# KiCad board poly_kb_wave_left.kicad_pcb (continued)
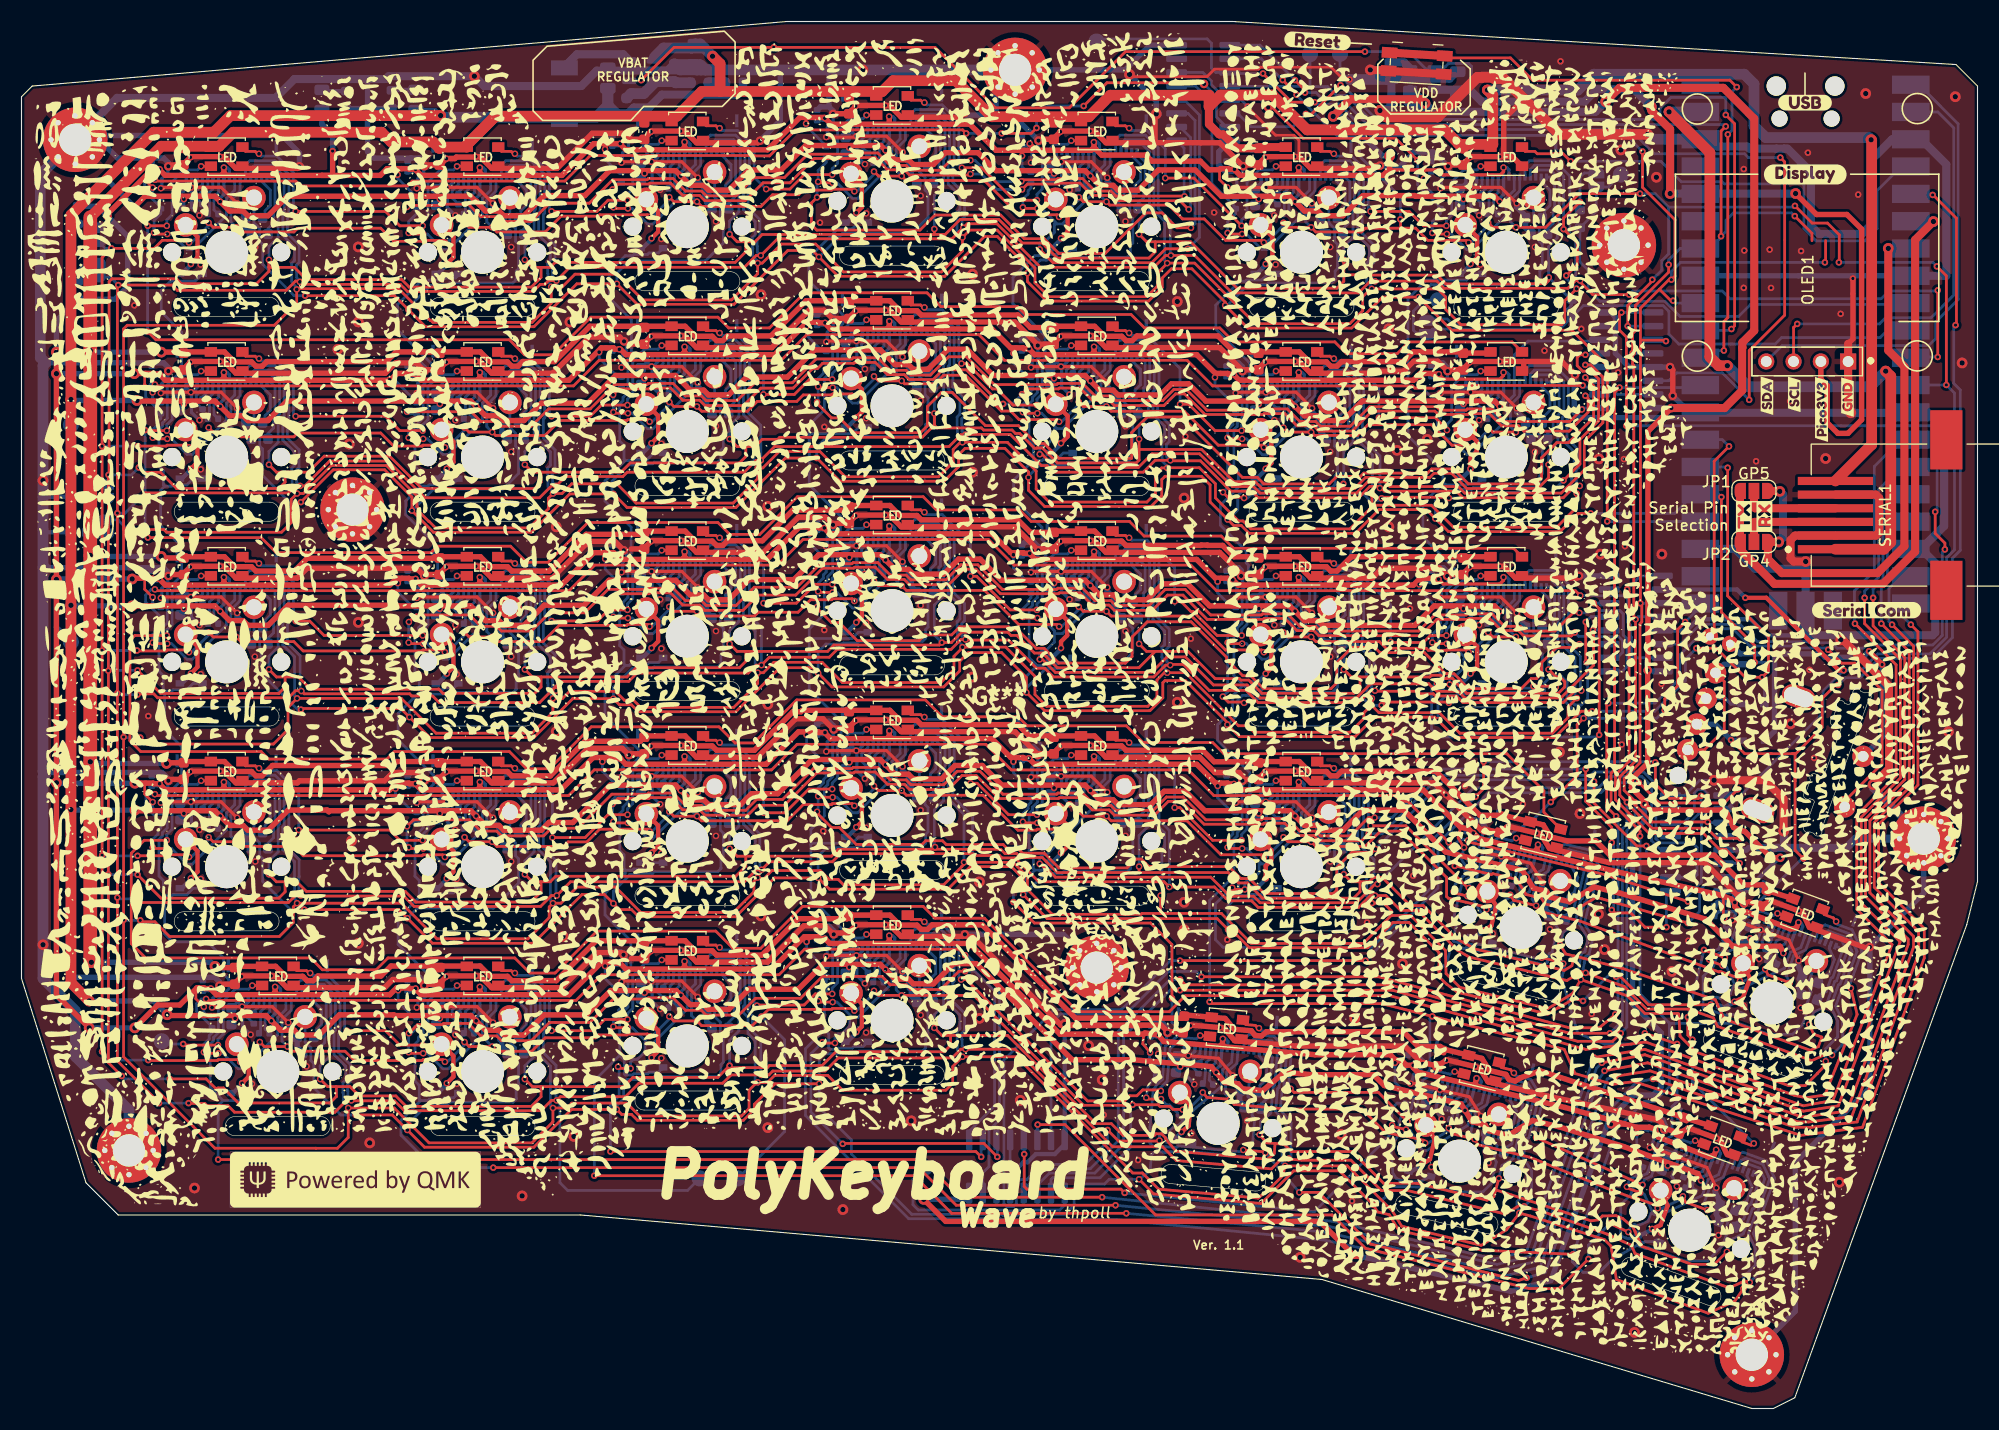
[diagram p0: board, top side]
## Nets (continued)
/K_B8/C1N: C6_36.2 CONN36.7
/K_B8/C1P: C6_36.1 CONN36.6
/K_B8/C2N: C5_36.2 CONN36.5
/K_B8/C2P: C5_36.1 CONN36.4
/K_B8/CS: CONN36.10 R1_36.2 U8.7
/K_B8/LED_DIN: LED22.2 LED36.4
/K_B8/SW-D: D1_36.2 SW_K_36.2
/K_B8/VCOMH: C4_36.1 CONN36.15
/K_B/C1N: C6_27.2 CONN27.7
/K_B/C1P: C6_27.1 CONN27.6
/K_B/C2N: C5_27.2 CONN27.5
/K_B/C2P: C5_27.1 CONN27.4
/K_B/CS: CONN27.10 R1_27.2 U7.5
/K_B/LED_DIN: LED27.4 LED28.2
/K_B/LED_DOUT: LED26.4 LED27.2
/K_B/SW-D: D1_27.2 SW_K_27.2
/K_B/VCOMH: C4_27.1 CONN27.15
/K_C/C1N: C6_25.2 CONN25.7
/K_C/C1P: C6_25.1 CONN25.6
/K_C/C2N: C5_25.2 CONN25.5
/K_C/C2P: C5_25.1 CONN25.4
/K_C/CS: CONN25.10 R1_25.2 U7.3
/K_C/LED_DIN: LED25.4 LED26.2
/K_C/LED_DOUT: LED24.4 LED25.2
/K_C/SW-D: D1_25.2 SW_K_25.2
/K_C/VCOMH: C4_25.1 CONN25.15
/K_D/C1N: C6_18.2 CONN18.7
/K_D/C1P: C6_18.1 CONN18.6
/K_D/C2N: C5_18.2 CONN18.5
/K_D/C2P: C5_18.1 CONN18.4
/K_D/CS: CONN18.10 R1_18.2 U6.3
/K_D/LED_DIN: LED18.4 LED19.2
/K_D/LED_DOUT: LED17.4 LED18.2
/K_D/SW-D: D1_18.2 SW_K_18.2
/K_D/VCOMH: C4_18.1 CONN18.15
/K_E/C1N: C6_11.2 CONN11.7
/K_E/C1P: C6_11.1 CONN11.6
/K_E/C2N: C5_11.2 CONN11.5
/K_E/C2P: C5_11.1 CONN11.4
/K_E/CS: CONN11.10 R1_11.2 U5.3
/K_E/LED_DIN: LED11.4 LED12.2
/K_E/LED_DOUT: LED10.4 LED11.2
/K_E/SW-D: D1_11.2 SW_K_11.2
/K_E/VCOMH: C4_11.1 CONN11.15
/K_F/C1N: C6_19.2 CONN19.7
/K_F/C1P: C6_19.1 CONN19.6
/K_F/C2N: C5_19.2 CONN19.5
/K_F/C2P: C5_19.1 CONN19.4
/K_F/CS: CONN19.10 R1_19.2 U6.4
/K_F/LED_DIN: LED19.4 LED20.2
/K_F/SW-D: D1_19.2 SW_K_19.2
/K_F/VCOMH: C4_19.1 CONN19.15
/K_G/C1N: C6_20.2 CONN20.7
/K_G/C1P: C6_20.1 CONN20.6
/K_G/C2N: C5_20.2 CONN20.5
/K_G/C2P: C5_20.1 CONN20.4
/K_G/CS: CONN20.10 R1_20.2 U6.5
/K_G/LED_DIN: LED20.4 LED21.2
/K_G/SW-D: D1_20.2 SW_K_20.2
/K_G/VCOMH: C4_20.1 CONN20.15
/K_L1/C1N: C6_1.2 CONN1.7
/K_L1/C1P: C6_1.1 CONN1.6
/K_L1/C2N: C5_1.2 CONN1.5
/K_L1/C2P: C5_1.1 CONN1.4
/K_L1/CS: CONN1.10 R1_1.2 U4.15
/K_L1/LED_DOUT: LED1.2 LED14.4
/K_L1/SW-D: D1_1.2 SW_K_1.2
/K_L1/VCOMH: C4_1.1 CONN1.15
/K_L2/C1N: C6_8.2 CONN8.7
/K_L2/C1P: C6_8.1 CONN8.6
/K_L2/C2N: C5_8.2 CONN8.5
/K_L2/C2P: C5_8.1 CONN8.4
/K_L2/CS: CONN8.10 R1_8.2 U5.15
/K_L2/LED_DIN: LED8.4 LED9.2
/K_L2/LED_DOUT: LED8.2 LED21.4
/K_L2/SW-D: D1_8.2 SW_K_8.2
/K_L2/VCOMH: C4_8.1 CONN8.15
/K_L3/C1N: C6_15.2 CONN15.7
/K_L3/C1P: C6_15.1 CONN15.6
/K_L3/C2N: C5_15.2 CONN15.5
/K_L3/C2P: C5_15.1 CONN15.4
/K_L3/CS: CONN15.10 R1_15.2 U6.15
/K_L3/LED_DOUT: LED15.2 LED28.4
/K_L3/SW-D: D1_15.2 SW_K_15.2
/K_L3/VCOMH: C4_15.1 CONN15.15
/K_L4/C1N: C6_22.2 CONN22.7
/K_L4/C1P: C6_22.1 CONN22.6
/K_L4/C2N: C5_22.2 CONN22.5
/K_L4/C2P: C5_22.1 CONN22.4
/K_L4/CS: CONN22.10 R1_22.2 U7.15
/K_L4/LED_DIN: LED22.4 LED23.2
/K_L4/SW-D: D1_22.2 SW_K_22.2
/K_L4/VCOMH: C4_22.1 CONN22.15
/K_L6/C1N: C6_7.2 CONN7.7
/K_L6/C1P: C6_7.1 CONN7.6
/K_L6/C2N: C5_7.2 CONN7.5
/K_L6/C2P: C5_7.1 CONN7.4
/K_L6/CS: CONN7.10 R1_7.2 U4.6
/K_L6/SW-D: D1_7.2 SW_K_7.2
/K_L6/VCOMH: C4_7.1 CONN7.15
/K_L7/C1N: C6_14.2 CONN14.7
/K_L7/C1P: C6_14.1 CONN14.6
/K_L7/C2N: C5_14.2 CONN14.5
/K_L7/C2P: C5_14.1 CONN14.4
/K_L7/CS: CONN14.10 R1_14.2 U5.6
/K_L7/LED_DOUT: LED13.4 LED14.2
/K_L7/SW-D: D1_14.2 SW_K_14.2
/K_L7/VCOMH: C4_14.1 CONN14.15
/K_L8/C1N: C6_21.2 CONN21.7
/K_L8/C1P: C6_21.1 CONN21.6
/K_L8/C2N: C5_21.2 CONN21.5
/K_L8/C2P: C5_21.1 CONN21.4
/K_L8/CS: CONN21.10 R1_21.2 U6.6
/K_L8/SW-D: D1_21.2 SW_K_21.2
/K_L8/VCOMH: C4_21.1 CONN21.15
/K_L9/C1N: C6_28.2 CONN28.7
/K_L9/C1P: C6_28.1 CONN28.6
/K_L9/C2N: C5_28.2 CONN28.5
/K_L9/C2P: C5_28.1 CONN28.4
/K_L9/CS: CONN28.10 R1_28.2 U7.6
/K_L9/SW-D: D1_28.2 SW_K_28.2
/K_L9/VCOMH: C4_28.1 CONN28.15
/K_Q/C1N: C6_9.2 CONN9.7
/K_Q/C1P: C6_9.1 CONN9.6
/K_Q/C2N: C5_9.2 CONN9.5
/K_Q/C2P: C5_9.1 CONN9.4
/K_Q/CS: CONN9.10 R1_9.2 U5.1
/K_Q/LED_DIN: LED9.4 LED10.2
/K_Q/SW-D: D1_9.2 SW_K_9.2
/K_Q/VCOMH: C4_9.1 CONN9.15
/K_R/C1N: C6_12.2 CONN12.7
/K_R/C1P: C6_12.1 CONN12.6
/K_R/C2N: C5_12.2 CONN12.5
/K_R/C2P: C5_12.1 CONN12.4
/K_R/CS: CONN12.10 R1_12.2 U5.4
/K_R/LED_DIN: LED12.4 LED13.2
/K_R/SW-D: D1_12.2 SW_K_12.2
/K_R/VCOMH: C4_12.1 CONN12.15
/K_S/C1N: C6_17.2 CONN17.7
/K_S/C1P: C6_17.1 CONN17.6
/K_S/C2N: C5_17.2 CONN17.5
/K_S/C2P: C5_17.1 CONN17.4
/K_S/CS: CONN17.10 R1_17.2 U6.2
/K_S/SW-D: D1_17.2 SW_K_17.2
/K_S/VCOMH: C4_17.1 CONN17.15
/K_T/C1N: C6_13.2 CONN13.7
/K_T/C1P: C6_13.1 CONN13.6
/K_T/C2N: C5_13.2 CONN13.5
/K_T/C2P: C5_13.1 CONN13.4
/K_T/CS: CONN13.10 R1_13.2 U5.5
/K_T/SW-D: D1_13.2 SW_K_13.2
/K_T/VCOMH: C4_13.1 CONN13.15
/K_V/C1N: C6_26.2 CONN26.7
/K_V/C1P: C6_26.1 CONN26.6
/K_V/C2N: C5_26.2 CONN26.5
/K_V/C2P: C5_26.1 CONN26.4
/K_V/CS: CONN26.10 R1_26.2 U7.4
/K_V/SW-D: D1_26.2 SW_K_26.2
/K_V/VCOMH: C4_26.1 CONN26.15
/K_W/C1N: C6_10.2 CONN10.7
/K_W/C1P: C6_10.1 CONN10.6
/K_W/C2N: C5_10.2 CONN10.5
/K_W/C2P: C5_10.1 CONN10.4
/K_W/CS: CONN10.10 R1_10.2 U5.2
/K_W/SW-D: D1_10.2 SW_K_10.2
/K_W/VCOMH: C4_10.1 CONN10.15
/K_X/C1N: C6_24.2 CONN24.7
/K_X/C1P: C6_24.1 CONN24.6
/K_X/C2N: C5_24.2 CONN24.5
/K_X/C2P: C5_24.1 CONN24.4
/K_X/CS: CONN24.10 R1_24.2 U7.2
/K_X/LED_DOUT: LED23.4 LED24.2
/K_X/SW-D: D1_24.2 SW_K_24.2
/K_X/VCOMH: C4_24.1 CONN24.15
/K_Z/C1N: C6_23.2 CONN23.7
/K_Z/C1P: C6_23.1 CONN23.6
/K_Z/C2N: C5_23.2 CONN23.5
/K_Z/C2P: C5_23.1 CONN23.4
/K_Z/CS: CONN23.10 R1_23.2 U7.1
/K_Z/SW-D: D1_23.2 SW_K_23.2
/K_Z/VCOMH: C4_23.1 CONN23.15
/ShiftRegisters/Carry1: U4.9 U5.14
/ShiftRegisters/Carry2: U5.9 U6.14
/ShiftRegisters/Carry3: U6.9 U7.14
/ShiftRegisters/Carry4: U7.9 U8.14
/ShiftRegisters/CarryOut: TP5.1 U8.9
/ShiftRegisters/Out1_8: U4.7
/ShiftRegisters/Out2_8: U5.7
/ShiftRegisters/Out3_8: U6.7
/ShiftRegisters/Out4_8: U7.7
Col1: D1_1.1 D1_8.1 D1_15.1 D1_22.1 D1_29.1 U1.14
Col2: D1_2.1 D1_9.1 D1_16.1 D1_23.1 D1_30.1 U1.15
Col3: D1_3.1 D1_10.1 D1_17.1 D1_24.1 D1_31.1 U1.16
Col4: D1_4.1 D1_11.1 D1_18.1 D1_25.1 D1_32.1 U1.17
Col5: D1_5.1 D1_12.1 D1_19.1 D1_26.1 D1_33.1 U1.19
Col6: D1_6.1 D1_13.1 D1_20.1 D1_27.1 D1_34.1 U1.20
Col7: D1_7.1 D1_14.1 D1_21.1 D1_28.1 D1_35.1 U1.21
Col8: D1_36.1 D12.1 ENC1.C U1.5
D-C: CONN1.12 CONN2.12 CONN3.12 CONN4.12 CONN5.12 CONN6.12 CONN7.12 CONN8.12 CONN9.12 CONN10.12 CONN11.12 CONN12.12 CONN13.12 CONN14.12 CONN15.12 CONN16.12 CONN17.12 CONN18.12 CONN19.12 CONN20.12 CONN21.12 CONN22.12 CONN23.12 CONN24.12 CONN25.12 CONN26.12 CONN27.12 CONN28.12 CONN29.12 CONN30.12 CONN31.12 CONN32.12 CONN33.12 CONN34.12 CONN35.12 CONN36.12 JP4.2 TP11.1 U1.11
I2C_SCK: OLED1.3 U1.2
I2C_SDA: OLED1.4 U1.1
LED_ARR_START: LED7.4 U1.4
PICO_3V3: C13.1 OLED1.2 U1.36 U2.1 U3.4 U3.5
RESET: CONN1.11 CONN2.11 CONN3.11 CONN4.11 CONN5.11 CONN6.11 CONN7.11 CONN8.11 CONN9.11 CONN10.11 CONN11.11 CONN12.11 CONN13.11 CONN14.11 CONN15.11 CONN16.11 CONN17.11 CONN18.11 CONN19.11 CONN20.11 CONN21.11 CONN22.11 CONN23.11 CONN24.11 CONN25.11 CONN26.11 CONN27.11 CONN28.11 CONN29.11 CONN30.11 CONN31.11 CONN32.11 CONN33.11 CONN34.11 CONN35.11 CONN36.11 JP3.2 TP12.1 U1.12 U4.10 U5.10 U6.10 U7.10 U8.10
Row1: SW_K_1.1 SW_K_2.1 SW_K_3.1 SW_K_4.1 SW_K_5.1 SW_K_6.1 SW_K_7.1 U1.24
Row2: D10.2 SW_K_8.1 SW_K_9.1 SW_K_10.1 SW_K_11.1 SW_K_12.1 SW_K_13.1 SW_K_14.1 U1.25
Row3: D11.2 SW_K_15.1 SW_K_16.1 SW_K_17.1 SW_K_18.1 SW_K_19.1 SW_K_20.1 SW_K_21.1 U1.26
Row4: ENC1.S1 SW_K_22.1 SW_K_23.1 SW_K_24.1 SW_K_25.1 SW_K_26.1 SW_K_27.1 SW_K_28.1 U1.27
Row5: SW_K_29.1 SW_K_30.1 SW_K_31.1 SW_K_32.1 SW_K_33.1 SW_K_34.1 SW_K_35.1 SW_K_36.1 U1.29
RUN: RESET1.1 U1.30
SCLK: CONN1.13 CONN2.13 CONN3.13 CONN4.13 CONN5.13 CONN6.13 CONN7.13 CONN8.13 CONN9.13 CONN10.13 CONN11.13 CONN12.13 CONN13.13 CONN14.13 CONN15.13 CONN16.13 CONN17.13 CONN18.13 CONN19.13 CONN20.13 CONN21.13 CONN22.13 CONN23.13 CONN24.13 CONN25.13 CONN26.13 CONN27.13 CONN28.13 CONN29.13 CONN30.13 CONN31.13 CONN32.13 CONN33.13 CONN34.13 CONN35.13 CONN36.13 JP6.2 JP7.1 R2.2
SDIN: CONN1.14 CONN2.14 CONN3.14 CONN4.14 CONN5.14 CONN6.14 CONN7.14 CONN8.14 CONN9.14 CONN10.14 CONN11.14 CONN12.14 CONN13.14 CONN14.14 CONN15.14 CONN16.14 CONN17.14 CONN18.14 CONN19.14 CONN20.14 CONN21.14 CONN22.14 CONN23.14 CONN24.14 CONN25.14 CONN26.14 CONN27.14 CONN28.14 CONN29.14 CONN30.14 CONN31.14 CONN32.14 CONN33.14 CONN34.14 CONN35.14 CONN36.14 JP5.2 JP8.1 R3.2
SERIAL_RX: JP1.2 JP1.3 JP2.3 SERIAL1.4 U1.7
SERIAL_TX: JP1.1 JP2.1 JP2.2 SERIAL1.3 U1.6
SPI0_CS_NC: U1.22
SR_CLOCK: TP8.1 U1.32 U4.11 U5.11 U6.11 U7.11 U8.11
SR_DATA: TP10.1 U1.31 U4.14
SR_LATCH: TP6.1 U1.34 U4.12 U5.12 U6.12 U7.12 U8.12
VSYS: SERIAL1.1 U1.39
Net-(C1-Pad1): C1.1 JP5.1
Net-(C2-Pad1): C2.1 JP6.1
Net-(C11-Pad2): C11.2 R11.1 R12.2 U2.5
Net-(D5-Pad1): D5.1 R5.2
Net-(D6-Pad1): D6.1 R6.2
Net-(D10-Pad1): D10.1 ENC1.A
Net-(D11-Pad1): D11.1 ENC1.B
Net-(D12-Pad2): D12.2 ENC1.S2
Net-(L1-Pad1): L1.1 U2.3
Net-(R1-Pad2): JP3.1 R1.2
Net-(R4-Pad2): JP4.1 R4.2
Net-(R10-Pad1): R10.1 R11.2
Net-(R13-Pad1): R13.1 U3.3
Net-(TP7-Pad1): JP8.2 R3.1 TP7.1 U1.10
Net-(TP9-Pad1): JP7.2 R2.1 TP9.1 U1.9

Pads without a net: CONN1 0 2; CONN2 0 2; CONN3 0 2; CONN4 0 2; CONN5 0 2; CONN6 0 2; CONN7 0 2; CONN8 0 2; CONN9 0 2; CONN10 0 2; CONN11 0 2; CONN12 0 2; CONN13 0 2; CONN14 0 2; CONN15 0 2; CONN16 0 2; CONN17 0 2; CONN18 0 2; CONN19 0 2; CONN20 0 2; CONN21 0 2; CONN22 0 2; CONN23 0 2; CONN24 0 2; CONN25 0 2; CONN26 0 2; CONN27 0 2; CONN28 0 2; CONN29 0 2; CONN30 0 2; CONN31 0 2; CONN32 0 2; CONN33 0 2; CONN34 0 2; CONN35 0 2; CONN36 0 2; SERIAL1 0; U1 35 37 41 43

## Via types
v1: diameter 1, hole 0.5, Top to Bottom, 122 vias
v2: diameter 0.8, hole 0.4, Top to Bottom, 53 vias
v3: diameter 0.61, hole 0.356, Top to Bottom, 1009 vias
v4: diameter 0.61, hole 0.305, Top to Bottom, 264 vias

## Routing (per net, layer and track width the routed paths; a pad name or vN(x,y) marks a point on that pad's centre or on a via; arc(x,y) is an arc through that point)
/K_1/VCC: length 6.1
  Bottom w0.254: CONN2.16 46.96,114.53 47.4,114.1 47.4,111.71 47.27,111.58 47.27,110.25 46.75,109.73 C1_2.1
/K_2/VCC: length 6.1
  Bottom w0.254: CONN3.16 66.01,116.91 66.45,116.48 66.45,114.09 66.32,113.97 66.32,112.63 65.8,112.11 C1_3.1
/K_3/VCC: length 6.1
  Bottom w0.254: CONN4.16 85.06,119.29 85.5,118.86 85.5,116.48 85.37,116.35 85.37,115.01 84.85,114.49 C1_4.1
/K_4/VCC: length 5.9
  Bottom w0.254: CONN5.16 103.8,116.71 104.55,115.96 104.55,114.09 104.42,113.97 104.42,112.63 103.9,112.11 C1_5.1
/K_5/VCC: length 6.1
  Bottom w0.254: C1_6.1 122.95,109.73 123.47,110.25 123.47,111.58 123.6,111.71 123.6,114.1 123.16,114.53 CONN6.16
/K_A/VCC: length 6.1
  Bottom w0.254: CONN16.16 46.96,76.43 47.4,76 47.4,73.61 47.27,73.48 47.27,72.15 46.75,71.63 C1_16.1
/K_B1/VCC: length 6.1
  Bottom w0.254: C1_29.1 27.7,33.53 28.22,34.05 28.22,35.38 28.35,35.51 28.35,37.9 27.91,38.33 CONN29.16
/K_B2/VCC: length 6.1
  Bottom w0.254: CONN30.16 46.96,38.33 47.4,37.9 47.4,35.51 47.27,35.38 47.27,34.05 46.75,33.53 C1_30.1
/K_B3/VCC: length 6.1
  Bottom w0.254: CONN31.16 66.01,40.71 66.45,40.28 66.45,37.89 66.32,37.77 66.32,36.43 65.8,35.91 C1_31.1
/K_B4/VCC: length 6.1
  Bottom w0.254: C1_32.1 84.85,38.29 85.37,38.81 85.37,40.15 85.5,40.28 85.5,42.66 85.06,43.09 CONN32.16
/K_B5/VCC: length 6.1
  Bottom w0.254: C1_33.1 115.37,28.36 115.93,28.83 116.05,30.16 116.19,30.28 116.39,32.65 116,33.12 CONN33.16
/K_B6/VCC: length 6.1
  Bottom w0.254: CONN34.16 139.38,28.85 139.7,28.33 139.14,26.01 138.99,25.92 138.67,24.61 138.05,24.23 C1_34.1
/K_B7/VCC: length 6.1
  Bottom w0.254: CONN35.16 161.43,21.76 161.69,21.2 160.88,18.96 160.71,18.89 160.25,17.63 159.59,17.32 C1_35.1
/K_B8/VCC: length 6.1
  Bottom w0.254: CONN36.16 169.09,42.9 169.35,42.34 168.54,40.1 168.37,40.03 167.91,38.77 167.25,38.46 C1_36.1
/K_B/VCC: length 6.1
  Bottom w0.254: CONN27.16 123.16,57.38 123.6,56.95 123.6,54.56 123.47,54.43 123.47,53.1 122.95,52.58 C1_27.1
/K_C/VCC: length 6.1
  Bottom w0.254: C1_25.1 84.85,57.34 85.37,57.86 85.37,59.2 85.5,59.33 85.5,61.71 85.06,62.14 CONN25.16
/K_D/VCC: length 6.1
  Bottom w0.254: C1_18.1 84.85,76.39 85.37,76.91 85.37,78.25 85.5,78.38 85.5,80.76 85.06,81.19 CONN18.16
/K_E/VCC: length 6.1
  Bottom w0.254: C1_11.1 84.85,95.44 85.37,95.96 85.37,97.3 85.5,97.43 85.5,99.81 85.06,100.24 CONN11.16
/K_F/VCC: length 6.1
  Bottom w0.254: C1_19.1 103.9,74.01 104.42,74.53 104.42,75.87 104.55,75.99 104.55,78.38 104.11,78.81 CONN19.16
/K_G/VCC: length 6.1
  Bottom w0.254: CONN20.16 123.16,76.43 123.6,76 123.6,73.61 123.47,73.48 123.47,72.15 122.95,71.63 C1_20.1
/K_L1/VCC: length 6.1
  Bottom w0.254: CONN1.16 23.15,114.53 23.58,114.1 23.58,111.71 23.45,111.58 23.45,110.25 22.94,109.73 C1_1.1
/K_L2/VCC: length 6.1
  Bottom w0.254: CONN8.16 23.15,95.48 23.58,95.05 23.58,92.66 23.45,92.53 23.45,91.2 22.94,90.68 C1_8.1
/K_L3/VCC: length 6.1
  Bottom w0.254: CONN15.16 23.15,76.43 23.58,76 23.58,73.61 23.45,73.48 23.45,72.15 22.94,71.63 C1_15.1
/K_L4/VCC: length 6.1
  Bottom w0.254: C1_22.1 22.94,52.58 23.45,53.1 23.45,54.43 23.58,54.56 23.58,56.95 23.15,57.38 CONN22.16
/K_L6/VCC: length 6.1
  Bottom w0.254: CONN7.16 142.21,114.53 142.65,114.1 142.65,111.71 142.52,111.58 142.52,110.25 142,109.73 C1_7.1
/K_L7/VCC: length 6.1
  Bottom w0.254: CONN14.16 142.21,95.48 142.65,95.05 142.65,92.66 142.52,92.53 142.52,91.2 142,90.68 C1_14.1
/K_L8/VCC: length 6.1
  Bottom w0.254: CONN21.16 142.21,76.43 142.65,76 142.65,73.61 142.52,73.48 142.52,72.15 142,71.63 C1_21.1
/K_L9/VCC: length 6.1
  Bottom w0.254: C1_28.1 143.77,45.95 144.39,46.33 144.7,47.63 144.86,47.73 145.41,50.04 145.1,50.57 CONN28.16
/K_Q/VCC: length 6.1
  Bottom w0.254: C1_9.1 46.75,90.68 47.27,91.2 47.27,92.53 47.4,92.66 47.4,95.05 46.96,95.48 CONN9.16
/K_R/VCC: length 6.1
  Bottom w0.254: C1_12.1 103.9,93.06 104.42,93.58 104.42,94.92 104.55,95.04 104.55,97.43 104.11,97.86 CONN12.16
/K_S/VCC: length 6.1
  Bottom w0.254: CONN17.16 66.01,78.81 66.45,78.38 66.45,75.99 66.32,75.87 66.32,74.53 65.8,74.01 C1_17.1
/K_T/VCC: length 6.1
  Bottom w0.254: C1_13.1 122.95,90.68 123.47,91.2 123.47,92.53 123.6,92.66 123.6,95.05 123.16,95.48 CONN13.16
/K_V/VCC: length 6.1
  Bottom w0.254: CONN26.16 104.11,59.76 104.55,59.33 104.55,56.94 104.42,56.82 104.42,55.48 103.9,54.96 C1_26.1
/K_W/VCC: length 6.1
  Bottom w0.254: CONN10.16 66.01,97.86 66.45,97.43 66.45,95.04 66.32,94.92 66.32,93.58 65.8,93.06 C1_10.1
/K_X/VCC: length 6.1
  Bottom w0.254: CONN24.16 66.01,59.76 66.45,59.33 66.45,56.94 66.32,56.82 66.32,55.48 65.8,54.96 C1_24.1
/K_Z/VCC: length 6.1
  Bottom w0.254: CONN23.16 46.96,57.38 47.4,56.95 47.4,54.56 47.27,54.43 47.27,53.1 46.75,52.58 C1_23.1
GND: length 2312.5
  Top w0.254: v4(123.57,123.61) 123,123.61 121.86,124.75 115.28,124.75 115.1,124.57 111.01,124.57 110.31,123.87 103.31,123.87 v1(103.1,124.08) ; v4(114.1,121.09) 114.1,121.02 116.69,118.43 118.39,118.43 118.86,117.95 118.86,116.43
  Top w0.292: v3(135.81,27.2) 134.71,28.99 v3(131.98,29.65) 129.31,30.29 129.22,30.23 ; 55.81,96.83 55.89,96.91 v3(58.63,96.91) 61.44,96.91 v3(62.93,95.42) ; v3(62.93,76.37) 61.44,77.86 v3(58.63,77.86) 55.89,77.86 55.81,77.78 ; v3(120.08,73.99) 118.59,75.47 v3(115.78,75.47) 113.04,75.47 112.96,75.4 ; v3(101.03,76.37) 99.54,77.86 v3(96.73,77.86) 93.99,77.86 93.91,77.78 ; 55.81,39.68 55.89,39.76 v3(58.63,39.76) 61.44,39.76 v3(62.93,38.27) ; 112.96,113.5 113.04,113.57 v3(115.78,113.57) 118.59,113.57 v3(120.08,112.09) ; v3(62.93,114.47) 61.44,115.96 v3(58.63,115.96) 55.89,115.96 55.81,115.88 ; 55.81,58.73 55.89,58.81 v3(58.63,58.81) 61.44,58.81 v3(62.93,57.32) ; v3(101.03,57.32) 99.54,58.81 v3(96.73,58.81) 93.99,58.81 93.91,58.73 ; v3(139.12,112.09) 137.64,113.57 v3(134.83,113.57) 132.09,113.57 132.01,113.5 ; 112.96,56.35 113.04,56.42 v3(115.78,56.42) 118.59,56.42 v3(120.08,54.94) ; 159.15,45.42 159.25,45.46 v3(161.83,44.53) 164.47,43.56 v3(165.35,41.66) ; v3(20.06,112.09) 18.58,113.57 v3(15.77,113.57) 13.02,113.57 12.95,113.5 ; v3(141.52,48.91) 140.42,50.71 v3(137.69,51.36) 135.02,52 134.93,51.95 ; v3(81.97,97.8) 80.49,99.29 v3(77.68,99.29) 74.94,99.29 74.86,99.21 ; 12.95,56.35 13.02,56.42 v3(15.77,56.42) 18.58,56.42 v3(20.06,54.94) ; v3(139.12,93.04) 137.64,94.52 v3(134.83,94.52) 132.09,94.52 132.01,94.45 ; v3(20.06,73.99) 18.58,75.47 v3(15.77,75.47) 13.02,75.47 12.95,75.4 ; v3(81.97,116.85) 80.49,118.34 v3(77.68,118.34) 77.59,118.25 74.87,118.25 ; 36.76,37.3 36.84,37.37 v3(39.58,37.37) 42.39,37.37 v3(43.88,35.89) ; v3(81.97,78.75) 80.49,80.24 v3(77.68,80.24) 74.94,80.24 74.86,80.16 ; 132.01,75.4 132.09,75.47 v3(134.83,75.47) 137.64,75.47 v3(139.12,73.99) ; v3(81.97,40.65) 80.49,42.14 v3(77.68,42.14) 74.94,42.14 74.86,42.06 ; 105.75,32.99 105.83,33.06 v3(108.56,32.82) 111.36,32.57 v3(112.71,30.96) ; v3(157.7,20.52) 156.81,22.42 v3(154.17,23.39) 151.59,24.32 151.49,24.28 ; 36.76,75.4 36.84,75.47 v3(39.58,75.47) 42.39,75.47 v3(43.88,73.99) ; v3(43.88,54.94) 42.39,56.42 v3(39.58,56.42) 36.84,56.42 36.76,56.35 ; v3(20.06,93.04) 18.58,94.52 v3(15.77,94.52) 13.02,94.52 12.95,94.45 ; v3(120.08,93.04) 118.59,94.52 v3(115.78,94.52) 113.04,94.52 112.96,94.45 ; v3(101.03,114.47) 99.54,115.96 v3(96.73,115.96) 93.99,115.96 93.91,115.88 ; v3(101.03,95.42) 99.54,96.91 v3(96.73,96.91) 93.99,96.91 93.91,96.83 ; 74.86,61.11 74.94,61.19 v3(77.68,61.19) 80.49,61.19 v3(81.97,59.7) ; 36.76,113.5 36.84,113.57 v3(39.58,113.57) 42.39,113.57 v3(43.88,112.09) ; 36.76,94.45 36.84,94.52 v3(39.58,94.52) 42.39,94.52 v3(43.88,93.04) ; 17.71,37.3 17.79,37.37 v3(20.53,37.37) 23.34,37.37 v3(24.82,35.89)
  Top w0.4: 97.8,35.65 97.15,35.65 v1(97.08,35.72) 96.65,35.72 96.38,35.99
  Top w0.5: 139.8,121.8 137.91,119.91 137.91,116.43 v3(137.52,116.43) ; v2(132.69,96.49) 131.77,97.4 129.55,97.4 128.63,96.49 125.88,96.49 125.68,96.29 119.95,96.29 118.86,97.38 v3(118.47,97.38) 115.78,97.38 v3(115.72,97.32) 115.01,96.62 113.88,96.62 ; 37.68,58.52 38.81,58.52 v3(39.52,59.22) 39.58,59.28 v3(42.26,59.28) 42.66,59.28 43.75,58.19 49.48,58.19 52.69,61.4 55.89,61.4 v2(56.52,60.77) ; v2(94.56,60.77) 94.56,60.84 92.44,62.95 81.85,62.95 80.76,64.05 v3(80.37,64.05) 77.68,64.05 v3(77.62,63.98) 76.91,63.28 75.78,63.28 ; v2(94.62,79.82) 92.44,82 81.85,82 80.76,83.09 v3(80.37,83.09) 77.68,83.09 v3(77.62,83.03) 76.91,82.33 75.78,82.33 ; v2(37.48,58.39) 36.71,59.15 34.55,59.15 33.78,58.39 25.86,58.39 25.67,58.19 19.94,58.19 18.85,59.28 v3(18.45,59.28) 15.77,59.28 v3(15.7,59.22) 15,58.52 13.86,58.52 ; v2(113.61,58.39) 113.61,58.84 113.3,59.15 111.05,59.15 109.63,60.57 100.9,60.57 99.81,61.66 v3(99.42,61.66) 96.73,61.66 v3(96.67,61.6) 95.96,60.9 94.83,60.9 ; v2(56.04,79.82) 55.21,80.65 52.8,80.65 49.39,77.24 43.75,77.24 42.66,78.33 v3(42.26,78.33) 39.58,78.33 v3(39.52,78.27) 38.81,77.57 37.68,77.57 ; v1(105.59,120.41) 105.48,120.3 105.48,117.72 ; v2(160.27,46.97) 160.2,47.04 160.2,47.39 159.82,47.78 159.62,47.78 156.63,50.77 147.73,50.77 142.16,52.11 141.36,53.42 v3(140.97,53.52) 138.36,54.14 v3(138.28,54.09) 137.44,53.58 136.33,53.84 ; 37.68,39.47 38.81,39.47 v3(39.52,40.17) 39.58,40.23 v3(42.26,40.23) 42.66,40.23 43.75,39.14 50.29,39.14 53.55,42.4 55.81,42.4 v2(56.02,42.2) ; 94.83,118.05 95.96,118.05 v3(96.67,118.75) 96.73,118.81 v3(99.42,118.81) 99.81,118.81 100.9,117.72 105.48,117.72 ; 113.88,115.67 115.01,115.67 v3(115.72,116.37) 115.78,116.43 v3(118.47,116.43) 118.86,116.43 119.95,115.34 125.68,115.34 125.94,115.6 v2(126.4,115.6) ; v2(153.64,94.19) 153.64,96.61 v2(153.39,96.86) ; v2(113.48,77.44) 113.48,77.63 111.49,79.62 100.9,79.62 99.81,80.71 v3(99.42,80.71) 96.73,80.71 v3(96.67,80.65) 95.96,79.95 94.83,79.95 ; v2(37.48,77.44) 36.76,78.15 26.58,78.15 25.67,77.24 19.94,77.24 18.85,78.33 v3(18.45,78.33) 15.77,78.33 v3(15.7,78.27) 15,77.57 13.86,77.57 ; v2(130.37,32.04) 128.7,33.71 118.58,33.71 112.88,34.21 111.88,35.4 v3(111.49,35.43) 108.81,35.66 v3(108.74,35.61) 107.98,34.97 106.85,35.07 ; v2(75.51,82.19) 74.8,82.9 72.3,82.9 69.02,79.62 62.8,79.62 61.71,80.71 v3(61.32,80.71) 58.63,80.71 v3(58.57,80.65) 57.86,79.95 56.73,79.95 ; 139.78,97.38 139.78,96.66 LED14.3 ; 139.78,97.38 143.32,97.38 v2(144.55,96.15) ; 139.78,97.38 v3(137.52,97.38) 134.83,97.38 v3(134.77,97.32) 134.06,96.62 132.93,96.62 ; 105.48,117.72 105.49,117.73 109.72,117.73 109.72,117.72 111.49,117.72 v2(113.68,115.54) ; 75.78,120.43 76.91,120.43 v3(77.62,121.13) 77.68,121.19 v3(80.37,121.19) 80.76,121.19 81.85,120.1 87.35,120.1 v2(87.75,120.5) ; v3(137.52,116.43) 134.83,116.43 v3(134.77,116.37) 134.06,115.67 132.93,115.67 ; v3(137.52,116.43) 138.72,116.43 LED7.3 ; 18.63,39.47 19.76,39.47 v3(20.47,40.17) 20.53,40.23 v3(23.21,40.23) 23.61,40.23 24.7,39.14 33.79,39.14 34.55,39.9 36.91,39.9 v2(37.48,39.34) ; 158.7,23.62 158.04,25.02 v3(157.67,25.15) 155.15,26.07 v3(155.06,26.03) 154.16,25.61 153.09,26 ; 160.75,47.14 161.82,46.75 v3(162.72,47.17) 162.81,47.21 v3(165.33,46.29) 165.7,46.16 166.35,44.76 171.73,42.8 v2(171.98,42.92) ; v4(170.4,105.1) 170.41,105.09 170.41,99.48 169.96,99.04 ; 113.88,77.57 115.01,77.57 v3(115.72,78.27) 115.78,78.33 v3(118.47,78.33) 118.86,78.33 119.95,77.24 125.68,77.24 126.59,78.15 131.93,78.15 v2(132.66,77.43) ; v2(152.86,25.95) 152.55,26.65 152.05,26.9 142.02,29.05 136.45,30.39 135.64,31.71 v3(135.26,31.8) 132.65,32.43 v3(132.57,32.38) 131.72,31.86 130.61,32.12 ; v2(75.57,44.1) 74.77,44.9 72.8,44.9 69.42,41.52 62.8,41.52 61.71,42.61 v3(61.32,42.61) 58.63,42.61 v3(58.57,42.55) 57.86,41.85 56.73,41.85 ; v2(25.86,115.54) 25.67,115.34 19.94,115.34 18.85,116.43 v3(18.45,116.43) 15.77,116.43 v3(15.7,116.37) 15,115.67 13.86,115.67 ; 37.68,115.67 38.94,115.67 v3(39.53,116.25) 40.31,116.25 40.46,116.39 42.23,116.39 v3(42.26,116.43) 42.66,116.43 43.75,115.34 49.84,115.34 53.1,118.6 56.17,118.6 56.73,118.05 57.86,118.05 v3(58.57,118.75) 58.63,118.81 v3(61.32,118.81) 61.71,118.81 62.8,117.72 68.53,117.72 v2(68.72,117.92) ; 37.68,96.62 38.81,96.62 v3(39.52,97.32) 39.58,97.38 v3(42.26,97.38) 42.66,97.38 43.75,96.29 49.48,96.29 49.48,96.33 52.8,99.65 55.66,99.65 v2(56.07,99.25) ; v2(37.48,96.49) 37.48,96.53 36.75,97.25 34.81,97.25 33.85,96.29 19.94,96.29 18.85,97.38 v3(18.45,97.38) 15.77,97.38 v3(15.7,97.32) 15,96.62 13.86,96.62 ; 94.83,99 95.96,99 v3(96.67,99.7) 96.73,99.76 v3(99.42,99.76) 99.81,99.76 100.9,98.67 111.49,98.67 113.61,96.56 v2(113.61,96.48) ; v2(144.93,77.44) 144.73,77.24 139,77.24 137.91,78.33 v3(137.52,78.33) 134.83,78.33 v3(134.77,78.27) 134.06,77.57 132.93,77.57 ; v2(94.56,98.87) 94.56,98.94 92.44,101.05 81.85,101.05 80.76,102.14 v3(80.37,102.14) 77.68,102.14 v3(77.62,102.08) 76.91,101.38 75.78,101.38 ; 113.88,58.52 115.01,58.52 v3(115.72,59.22) 115.78,59.28 v3(118.47,59.28) 118.86,59.28 119.95,58.19 131.41,58.19 v4(132.55,57.05) 135.84,53.76 v2(136.1,53.76) ; 56.73,99 57.86,99 v3(58.57,99.7) 58.63,99.76 v3(61.32,99.76) 61.71,99.76 62.8,98.67 69.82,98.67 73.3,102.15 74.67,102.15 v2(75.57,101.25) ; 56.73,60.9 57.86,60.9 v3(58.57,61.6) 58.63,61.66 v3(61.32,61.66) 61.71,61.66 62.8,60.57 68.53,60.57 68.53,60.63 72.05,64.15 74.57,64.15 v2(75.57,63.15) ; v2(106.64,34.96) 106.64,35.06 106.05,35.65 96.72,35.65 88.47,43.9 87.97,43.9 v2(87.78,44.1) 87.58,43.9 81.85,43.9 80.76,44.99 v3(80.37,44.99) 77.68,44.99 v3(77.62,44.93) 76.91,44.23 75.78,44.23
  Top w0.75: 127.09,124.47 125.53,124.47 v1(125.5,124.5) ; v1(172.29,58.03) 172.3,58.03 173.77,59.51 173.77,67.19 169.47,71.49 v1(169.27,71.49) ; SERIAL1.5 172.54,85 172.85,84.68 172.85,81.51 172.54,81.19 SERIAL1.2 165.02,81.19 164.6,80.77 164.6,79.07 164.9,78.77 v1(166.01,78.77) ; v1(170.21,92.61) 169.96,92.86 169.96,99.04 ; v1(157.49,58.44) 162.21,58.44 163.96,56.69 v1(163.96,53.7) ; 127.14,124.42 132.38,124.1
  Top w1: v1(126.4,120.73) 127,120.12 131.78,120.12 135.47,123.81 135.89,123.81 135.9,123.83 136.9,123.83 137.02,123.7 137.9,123.7 143.1,118.5 v1(151.3,118.5)
  Bottom w0.254: v1(157.49,58.44) 156.16,58.44 154.75,57.03 U7.8 ; v4(114.1,121.09) 113.46,121.73 U4.13
  Bottom w0.292: 40.36,110.97 39.63,111.71 39.63,113.53 v3(39.58,113.57) ; 58.2,97.34 57.84,96.98 57.63,96.98 ; 58.2,97.34 58.63,96.91 v3(58.63,96.91) ; 58.2,97.34 CONN10.1 ; CONN21.1 134.4,75.91 ; 134.4,75.91 134.83,75.48 v3(134.83,75.47) ; 134.4,75.91 134.04,75.55 133.83,75.55 ; CONN8.3 16.34,94.96 15.9,94.52 v3(15.77,94.52) ; 129.22,30.23 129.36,30.32 129.54,31.07 130.2,31.47 130.2,31.88 v2(130.37,32.04) ; 93.91,115.88 94.03,115.99 94.03,116.77 94.58,117.32 94.58,117.87 v2(94.62,117.92) ; CONN6.3 116.35,114.01 115.91,113.57 v3(115.78,113.57) ; 15.34,56.86 14.98,56.5 14.77,56.5 ; 15.34,56.86 CONN22.1 ; 15.34,56.86 15.77,56.43 v3(15.77,56.42) ; 78.46,58.58 77.72,59.32 77.72,61.14 v3(77.68,61.19) ; v3(131.98,29.65) 132.11,29.61 132.63,29.94 CONN34.3 ; v3(131.98,29.65) 132.01,29.59 131.59,27.82 132.13,26.93 ; v3(131.98,29.65) 131.98,29.65 131.66,30.17 ; 77.25,42.57 76.89,42.21 76.68,42.21 ; 77.25,42.57 77.68,42.14 v3(77.68,42.14) ; 77.25,42.57 CONN32.1 ; 109.11,30.16 108.44,30.95 108.6,32.77 v3(108.56,32.82) ; v2(136.1,53.76) 136.04,53.73 135.92,53.19 135.25,52.79 135.07,52.03 134.93,51.95 ; v2(56.02,42.2) 56.27,41.94 56.27,40.91 55.93,40.57 55.93,39.79 55.81,39.68 ; CONN22.3 16.34,56.86 15.9,56.42 v3(15.77,56.42) ; v3(58.63,96.91) 58.68,96.86 58.68,95.04 59.41,94.3 ; v3(58.63,96.91) 58.76,96.91 59.2,97.34 CONN10.3 ; CONN7.3 135.4,114.01 134.96,113.57 v3(134.83,113.57) ; 78.46,96.68 77.72,97.42 77.72,99.24 v3(77.68,99.29) ; CONN17.1 58.2,78.29 ; 58.2,78.29 57.84,77.93 57.63,77.93 ; 58.2,78.29 58.63,77.86 v3(58.63,77.86) ; 96.3,97.34 95.94,96.98 95.73,96.98 ; 96.3,97.34 96.73,96.91 v3(96.73,96.91) ; 96.3,97.34 CONN12.1 ; v2(56.52,60.77) 56.48,60.72 56.48,60.17 55.93,59.62 55.93,58.84 55.81,58.73 ; v3(77.68,118.34) 77.81,118.34 78.25,118.78 CONN4.3 ; v3(77.68,118.34) 77.68,118.34 77.25,118.77 ; v3(77.68,118.34) 77.72,118.29 77.72,116.47 78.46,115.73 ; 59.41,113.35 58.68,114.09 58.68,115.91 v3(58.63,115.96) ; CONN21.3 135.4,75.91 134.96,75.47 v3(134.83,75.47) ; v3(154.17,23.39) 154.17,23.39 153.91,23.94 ; v3(154.17,23.39) 154.19,23.33 153.57,21.62 154.01,20.67 ; v3(154.17,23.39) 154.29,23.34 154.85,23.6 CONN35.3 ; 15.34,114.01 15.77,113.58 v3(15.77,113.57) ; 15.34,114.01 14.98,113.65 14.77,113.65 ; 15.34,114.01 CONN1.1 ; CONN33.1 108.17,33.29 ; 108.17,33.29 107.78,32.96 107.58,32.98 ; 108.17,33.29 108.56,32.82 v3(108.56,32.82) ; 36.76,113.5 36.88,113.61 36.88,114.39 37.43,114.94 37.43,115.49 v2(37.48,115.54) ; 116.56,72.87 115.83,73.61 115.83,75.43 v3(115.78,75.47) ; 58.2,40.19 58.63,39.76 v3(58.63,39.76) ; 58.2,40.19 57.84,39.83 57.63,39.83 ; 58.2,40.19 CONN31.1 ; 58.2,59.24 58.63,58.81 v3(58.63,58.81) ; 58.2,59.24 CONN24.1 ; 58.2,59.24 57.84,58.88 57.63,58.88 ; v3(77.68,80.24) 77.72,80.19 77.72,78.37 78.46,77.63 ; v3(77.68,80.24) 77.81,80.24 78.25,80.67 CONN18.3 ; v3(77.68,80.24) 77.68,80.24 77.25,80.67 ; v3(15.77,94.52) 15.81,94.48 15.81,92.66 16.55,91.92 ; v3(15.77,94.52) 15.77,94.53 15.34,94.96 ; CONN1.3 16.34,114.01 15.9,113.57 v3(15.77,113.57) ; 15.34,75.91 15.77,75.48 v3(15.77,75.47) ; 15.34,75.91 CONN15.1 ; 15.34,75.91 14.98,75.55 14.77,75.55 ; 95.73,77.93 95.94,77.93 96.3,78.29 ; 112.96,56.35 113.08,56.46 113.08,57.24 113.62,57.79 113.62,58.37 v2(113.61,58.39) ; 39.15,94.96 38.79,94.6 38.58,94.6 ; 39.15,94.96 39.58,94.53 v3(39.58,94.52) ; 39.15,94.96 CONN9.1 ; v2(37.48,58.39) 37.43,58.34 37.43,57.79 36.88,57.24 36.88,56.46 36.76,56.35 ; CONN18.1 77.25,80.67 ; 77.25,80.67 76.89,80.31 76.68,80.31 ; 96.3,78.29 96.73,77.86 v3(96.73,77.86) ; 96.3,78.29 CONN19.1 ; v2(132.72,115.54) 132.68,115.49 132.68,114.94 132.12,114.39 132.12,113.61 132.01,113.5 ; v2(113.48,77.44) 113.62,77.29 113.62,76.84 113.08,76.29 113.08,75.51 112.96,75.4 ; v2(13.66,96.49) 13.61,96.44 13.61,95.89 13.06,95.34 13.06,94.56 12.95,94.45 ; v3(58.63,39.76) 58.76,39.76 59.2,40.19 CONN31.3 ; v3(58.63,39.76) 58.68,39.71 58.68,37.89 59.41,37.15 ; 74.86,118.26 74.97,118.38 74.97,119.15 75.53,119.7 75.53,120.4 v2(75.52,120.41) ; 116.56,91.92 115.83,92.66 115.83,94.48 v3(115.78,94.52) ; 12.95,56.35 13.06,56.46 13.06,57.24 13.61,57.79 13.61,58.34 v2(13.66,58.39) ; CONN2.1 39.15,114.01 ; 39.15,114.01 38.79,113.65 38.58,113.65 ; 39.15,114.01 39.58,113.58 v3(39.58,113.57) ; 96.3,59.24 96.73,58.81 v3(96.73,58.81) ; 96.3,59.24 CONN26.1 ; 96.3,59.24 95.94,58.88 95.73,58.88 ; 97.51,94.3 96.78,95.04 96.78,96.86 v3(96.73,96.91) ; CONN3.1 58.2,116.39 ; 58.2,116.39 58.63,115.96 v3(58.63,115.96) ; 58.2,116.39 57.84,116.03 57.63,116.03 ; CONN14.1 134.4,94.96 ; 134.4,94.96 134.83,94.53 v3(134.83,94.52) ; 134.4,94.96 134.04,94.6 133.83,94.6 ; 115.35,75.91 115.78,75.48 v3(115.78,75.47) ; 115.35,75.91 CONN20.1 ; 115.35,75.91 114.99,75.55 114.78,75.55 ; CONN27.1 115.35,56.86 ; 115.35,56.86 115.78,56.43 v3(115.78,56.42) ; 115.35,56.86 114.99,56.5 114.78,56.5 ; v2(132.69,96.49) 132.68,96.47 132.68,95.89 132.12,95.34 132.12,94.56 132.01,94.45 ; CONN28.1 137.38,51.89 ; 137.38,51.89 136.94,51.62 136.74,51.67 ; 137.38,51.89 137.69,51.37 v3(137.69,51.36) ; 55.81,77.78 55.93,77.89 55.93,78.67 56.3,79.04 56.3,79.56 v2(56.04,79.82) ; CONN36.1 161.57,45.08 ; 161.57,45.08 161.83,44.53 v3(161.83,44.53) ; 161.57,45.08 161.11,44.87 160.92,44.94 ; 74.86,61.11 74.97,61.23 74.97,62 75.53,62.55 75.53,63.1 v2(75.57,63.15) ; v3(58.63,77.86) 58.68,77.81 58.68,75.99 59.41,75.25 ; v3(58.63,77.86) 58.76,77.86 59.2,78.29 CONN17.3 ; v2(75.51,82.19) 75.53,82.18 75.53,81.6 74.97,81.05 74.97,80.28 74.86,80.16 ; CONN7.1 134.4,114.01 ; 134.4,114.01 134.83,113.58 v3(134.83,113.57) ; 134.4,114.01 134.04,113.65 133.83,113.65 ; CONN27.3 116.35,56.86 115.91,56.42 v3(115.78,56.42) ; v3(134.83,75.47) 134.88,75.43 134.88,73.61 135.61,72.87 ; 77.25,61.62 77.68,61.19 v3(77.68,61.19) ; 77.25,61.62 76.89,61.26 76.68,61.26 ; 77.25,61.62 CONN25.1 ; 15.34,94.96 14.98,94.6 14.77,94.6 ; 15.34,94.96 CONN8.1 ; v3(15.77,75.47) 15.9,75.47 16.34,75.91 CONN15.3 ; v3(15.77,75.47) 15.81,75.43 15.81,73.61 16.55,72.87 ; 115.35,94.96 115.78,94.53 v3(115.78,94.52) ; 115.35,94.96 CONN13.1 ; 115.35,94.96 114.99,94.6 114.78,94.6 ; 153.91,23.94 153.45,23.73 153.26,23.8 ; 153.91,23.94 CONN35.1 ; v3(15.77,113.57) 15.81,113.53 15.81,111.71 16.55,110.97 ; 39.15,56.86 38.79,56.5 38.58,56.5 ; 39.15,56.86 CONN23.1 ; 39.15,56.86 39.58,56.43 v3(39.58,56.42) ; CONN5.3 97.3,116.39 96.86,115.96 v3(96.73,115.96) ; v3(115.78,75.47) 115.91,75.47 116.35,75.91 CONN20.3 ; v3(96.73,115.96) 96.78,115.91 96.78,114.09 97.51,113.35 ; v3(96.73,115.96) 96.73,115.96 96.3,116.39 ; v3(115.78,113.57) 115.83,113.53 115.83,111.71 116.56,110.97 ; v3(115.78,113.57) 115.78,113.58 115.35,114.01 ; 36.76,94.45 36.88,94.56 36.88,95.34 37.43,95.89 37.43,96.44 v2(37.48,96.49) ; 76.68,118.41 76.89,118.41 77.25,118.77 ; 161.67,41.81 161.23,42.75 161.85,44.47 v3(161.83,44.53) ; v3(58.63,58.81) 58.68,58.76 58.68,56.94 59.41,56.2 ; v3(58.63,58.81) 58.76,58.81 59.2,59.24 CONN24.3 ; 19.53,37.45 19.74,37.45 20.1,37.81 ; 39.15,37.81 39.58,37.38 v3(39.58,37.37) ; 39.15,37.81 CONN30.1 ; 39.15,37.81 38.79,37.45 38.58,37.45 ; v3(134.83,94.52) 134.88,94.48 134.88,92.66 135.61,91.92 ; v3(134.83,94.52) 134.96,94.52 135.4,94.96 CONN14.3 ; v3(96.73,96.91) 96.86,96.91 97.3,97.34 CONN12.3 ; 40.36,53.82 39.63,54.56 39.63,56.38 v3(39.58,56.42) ; 159.56,46.21 157.93,46.21 C3_36.2 ; 159.56,46.21 159.3,45.49 159.15,45.42 ; 159.56,46.21 160.27,46.54 160.27,46.97 v2(160.27,46.97) ; CONN32.3 78.25,42.58 77.81,42.14 v3(77.68,42.14) ; v3(15.77,56.42) 15.81,56.38 15.81,54.56 16.55,53.82 ; v3(39.58,56.42) 39.71,56.42 40.15,56.86 CONN23.3 ; v3(115.78,56.42) 115.83,56.38 115.83,54.56 116.56,53.82 ; CONN11.3 78.25,99.72 77.81,99.29 v3(77.68,99.29) ; CONN30.3 40.15,37.81 39.71,37.37 v3(39.58,37.37) ; 77.25,118.77 CONN4.1 ; CONN5.1 96.3,116.39 ; 96.3,116.39 95.94,116.03 95.73,116.03 ; 93.91,77.78 94.03,77.89 94.03,78.67 94.58,79.22 94.58,79.77 v2(94.62,79.82) ; CONN6.1 115.35,114.01 ; 115.35,114.01 114.99,113.65 114.78,113.65 ; v3(77.68,42.14) 77.72,42.09 77.72,40.27 78.46,39.53 ; v3(77.68,61.19) 77.81,61.19 78.25,61.62 CONN25.3 ; 97.51,56.2 96.78,56.94 96.78,58.76 v3(96.73,58.81) ; v2(94.56,98.87) 94.58,98.85 94.58,98.27 94.03,97.72 94.03,96.94 93.91,96.83 ; 112.96,113.5 113.08,113.61 113.08,114.39 113.62,114.94 113.62,115.49 v2(113.68,115.54) 113.56,115.54 113.1,116 C3_6.2 ; v3(137.69,51.36) 137.73,51.31 137.3,49.54 137.84,48.65 ; v3(137.69,51.36) 137.82,51.33 138.35,51.66 CONN28.3 ; v3(20.53,37.37) 20.53,37.38 20.1,37.81 ; v3(20.53,37.37) 20.57,37.33 20.57,35.51 21.31,34.77 ; v3(20.53,37.37) 20.66,37.37 21.1,37.81 CONN29.3 ; CONN3.3 59.2,116.39 58.76,115.96 v3(58.63,115.96) ; 77.25,99.72 76.89,99.36 76.68,99.36 ; 77.25,99.72 CONN11.1 ; 77.25,99.72 77.68,99.29 v3(77.68,99.29) ; v3(39.58,37.37) 39.63,37.33 39.63,35.51 40.36,34.77 ; CONN16.1 39.15,75.91 ; 39.15,75.91 38.79,75.55 38.58,75.55 ; 39.15,75.91 39.58,75.48 v3(39.58,75.47) ; 135.61,110.97 134.88,111.71 134.88,113.53 v3(134.83,113.57) ; CONN33.3 109.17,33.2 108.69,32.8 v3(108.56,32.82) ; 17.71,37.3 17.82,37.41 17.82,38.19 18.38,38.74 18.38,39.29 v2(18.43,39.34) ; CONN9.3 40.15,94.96 39.71,94.52 v3(39.58,94.52) ; v2(37.48,39.34) 37.43,39.29 37.43,38.74 36.88,38.19 36.88,37.41 36.76,37.3 ; v3(96.73,77.86) 96.86,77.86 97.3,78.29 CONN19.3 ; v3(96.73,77.86) 96.78,77.81 96.78,75.99 97.51,75.25 ; v3(96.73,58.81) 96.86,58.81 97.3,59.24 CONN26.3 ; v2(37.48,77.44) 37.43,77.39 37.43,76.84 36.88,76.29 36.88,75.51 36.76,75.4 ; 40.36,72.87 39.63,73.61 39.63,75.43 v3(39.58,75.47) ; v2(13.66,77.44) 13.61,77.39 13.61,76.84 13.06,76.29 13.06,75.51 12.95,75.4 ; v2(106.64,34.96) 106.58,34.91 106.53,34.36 105.94,33.86 105.87,33.09 105.75,32.99 ; v3(39.58,113.57) 39.71,113.57 40.15,114.01 CONN2.3 ; 131.66,30.17 131.23,29.91 131.03,29.95 ; 131.66,30.17 CONN34.1 ; v3(115.78,94.52) 115.91,94.52 116.35,94.96 CONN13.3 ; v3(39.58,94.52) 39.63,94.48 39.63,92.66 40.36,91.92 ; 112.96,94.45 113.08,94.56 113.08,95.34 113.62,95.89 113.62,96.46 v2(113.61,96.48) ; 20.1,37.81 CONN29.1 ; v3(39.58,75.47) 39.71,75.47 40.15,75.91 CONN16.3 ; v3(161.83,44.53) 161.95,44.48 162.51,44.74 CONN36.3 ; v2(132.66,77.43) 132.68,77.41 132.68,76.84 132.12,76.29 132.12,75.51 132.01,75.4 ; v2(94.56,60.77) 94.58,60.75 94.58,60.17 94.03,59.62 94.03,58.84 93.91,58.73 ; v2(56.07,99.25) 56.27,99.04 56.27,98.28 55.93,97.93 55.93,96.94 55.81,96.83 ; 12.95,113.5 13.06,113.61 13.06,114.39 13.61,114.94 13.61,115.49 v2(13.66,115.54) ; 55.81,115.88 55.93,115.99 55.93,116.77 56.48,117.32 56.48,117.87 56.52,117.92 ; v2(152.86,25.95) 152.8,25.92 152.61,25.4 151.9,25.08 151.64,24.35 151.49,24.28 ; v2(75.57,44.1) 75.53,44.05 75.53,43.5 74.97,42.95 74.97,42.18 74.86,42.06 ; v2(75.57,101.25) 75.53,101.2 75.53,100.65 74.97,100.1 74.97,99.33 74.86,99.21